# KiCad board first_keyboard.kicad_pcb
date: 2024-04-06
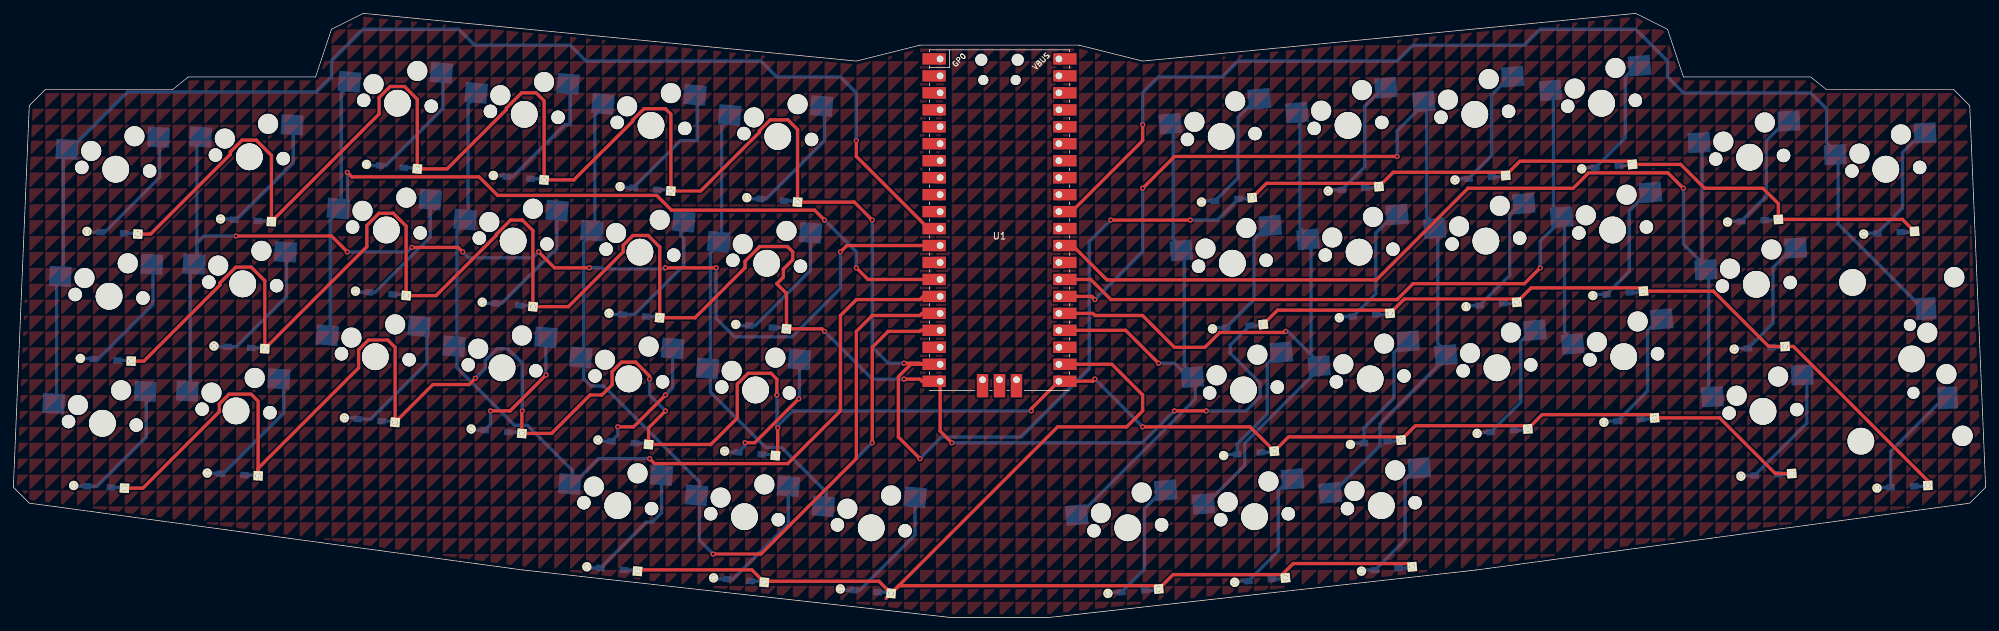
[diagram p0: board, top side]
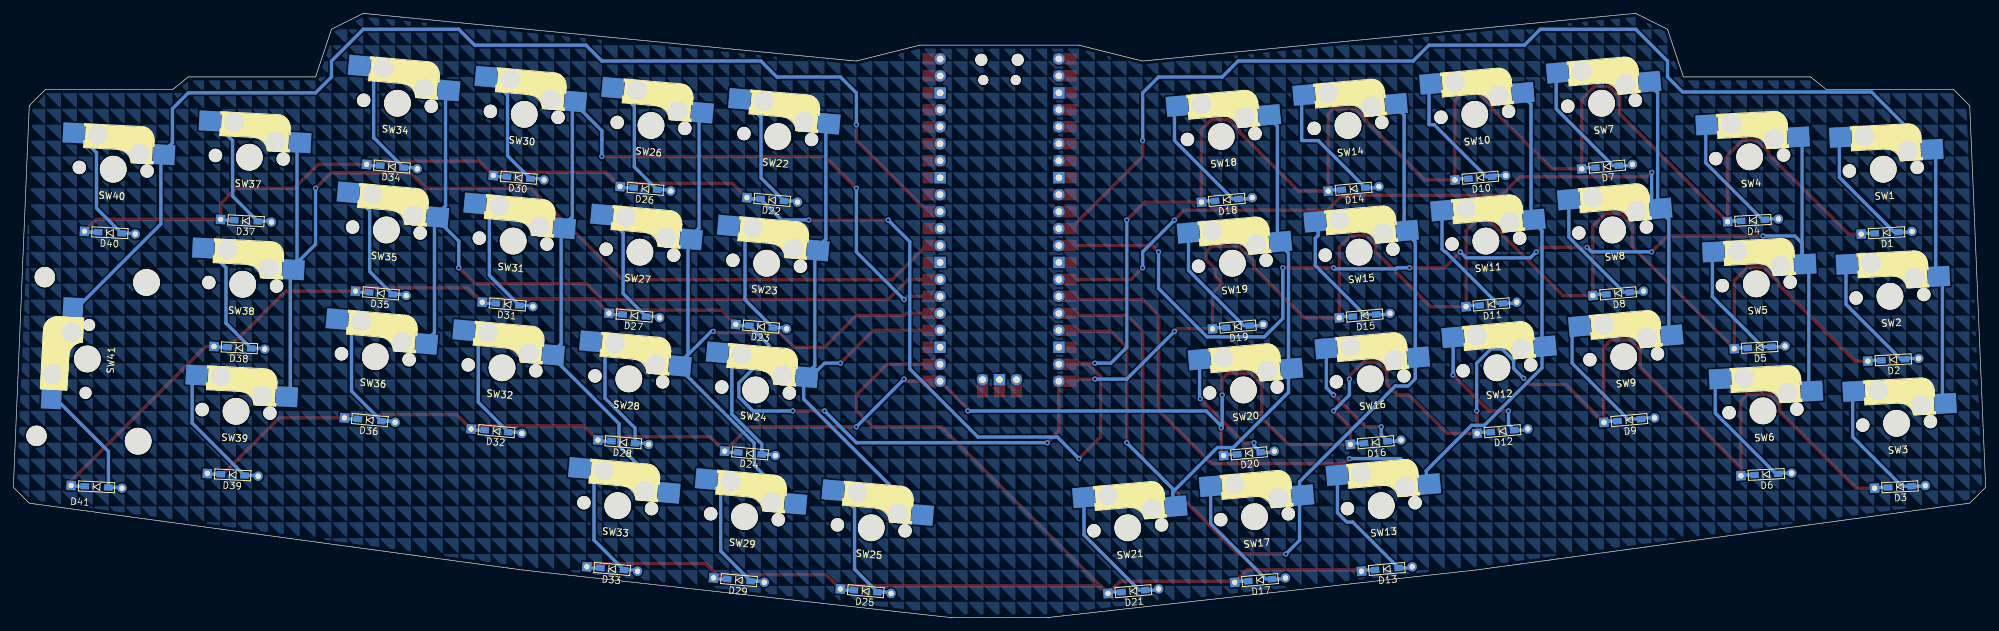
[diagram p1: board, bottom side, seen from below]

Outline 295.27 x 90.49 mm; copper layers: Top, Bottom. Coordinates in mm from the lower left corner of the outline.
Outline path: 0,19.52 2.38,17.14 76.2,7.14 140.49,0 154.78,0 219.07,7.14 292.89,17.14 295.27,19.52 292.89,76.67 290.51,79.06 271.46,79.06 269.08,80.96 250.03,80.96 247.65,88.11 242.89,90.49 169.07,83.34 159.54,85.72 135.73,85.72 126.21,83.34 52.39,90.49 47.62,88.11 45.24,80.96 26.19,80.96 23.81,79.06 4.76,79.06 2.38,76.67 0,19.52

## Placement (name value [footprint] x y rotation side)
D1  D  [Diode_TH_SMD]  14.83 57.64 177 top
D2  D  [Diode_TH_SMD]  13.83 38.61 177 top
D3  D  [Diode_TH_SMD]  12.83 19.59 177 top
D4  D  [Diode_TH_SMD]  34.83 59.49 177 top
D5  D  [Diode_TH_SMD]  33.84 40.47 177 top
D6  D  [Diode_TH_SMD]  32.84 21.44 177 top
D7  D  [Diode_TH_SMD]  56.68 67.54 175 top
D8  D  [Diode_TH_SMD]  55.02 48.56 175 top
D9  D  [Diode_TH_SMD]  53.36 29.58 175 top
D10  D  [Diode_TH_SMD]  75.65 65.88 175 top
D11  D  [Diode_TH_SMD]  73.99 46.9 175 top
D12  D  [Diode_TH_SMD]  72.33 27.92 175 top
D13  D  [Diode_TH_SMD]  89.65 7.28 175 top
D14  D  [Diode_TH_SMD]  94.63 64.22 175 top
D15  D  [Diode_TH_SMD]  92.97 45.24 175 top
D16  D  [Diode_TH_SMD]  91.31 26.26 175 top
D17  D  [Diode_TH_SMD]  108.63 5.62 175 top
D18  D  [Diode_TH_SMD]  113.61 62.56 175 top
D19  D  [Diode_TH_SMD]  111.95 43.58 175 top
D20  D  [Diode_TH_SMD]  110.29 24.6 175 top
D21  D  [Diode_TH_SMD]  127.61 3.96 175 top
D22  D  [Diode_TH_SMD]  181.67 62.56 185 top
D23  D  [Diode_TH_SMD]  183.33 43.58 185 top
D24  D  [Diode_TH_SMD]  184.99 24.6 185 top
D25  D  [Diode_TH_SMD]  167.67 3.96 185 top
D26  D  [Diode_TH_SMD]  200.64 64.22 185 top
D27  D  [Diode_TH_SMD]  202.3 45.24 185 top
D28  D  [Diode_TH_SMD]  203.96 26.26 185 top
D29  D  [Diode_TH_SMD]  186.65 5.62 185 top
D30  D  [Diode_TH_SMD]  219.62 65.88 185 top
D31  D  [Diode_TH_SMD]  221.28 46.9 185 top
D32  D  [Diode_TH_SMD]  222.94 27.92 185 top
D33  D  [Diode_TH_SMD]  205.62 7.28 185 top
D34  D  [Diode_TH_SMD]  238.6 67.54 185 top
D35  D  [Diode_TH_SMD]  240.26 48.56 185 top
D36  D  [Diode_TH_SMD]  241.92 29.58 185 top
D37  D  [Diode_TH_SMD]  260.44 59.43 183 top
D38  D  [Diode_TH_SMD]  261.44 40.41 183 top
D39  D  [Diode_TH_SMD]  262.44 21.38 183 top
D40  D  [Diode_TH_SMD]  280.82 57.64 183 top
D41  D  [Diode_TH_SMD]  282.82 19.59 183 top
SW1  SW_Push  [CherryMX_Hotswap_1u]  15.33 67.15 357 top
SW2  SW_Push  [CherryMX_Hotswap_1u]  14.33 48.13 357 top
SW3  SW_Push  [CherryMX_Hotswap_1u]  13.33 29.1 357 top
SW4  SW_Push  [CherryMX_Hotswap_1u]  35.33 69 357 top
SW5  SW_Push  [CherryMX_Hotswap_1u]  34.33 49.98 357 top
SW6  SW_Push  [CherryMX_Hotswap_1u]  33.34 30.96 357 top
SW7  SW_Push  [CherryMX_Hotswap_1u]  57.51 77.03 355 top
SW8  SW_Push  [CherryMX_Hotswap_1u]  55.85 58.05 355 top
SW9  SW_Push  [CherryMX_Hotswap_1u]  54.19 39.07 355 top
SW10  SW_Push  [CherryMX_Hotswap_1u]  76.48 75.37 355 top
SW11  SW_Push  [CherryMX_Hotswap_1u]  74.82 56.39 355 top
SW12  SW_Push  [CherryMX_Hotswap_1u]  73.16 37.41 355 top
SW13  SW_Push  [CherryMX_Hotswap_1u]  90.48 16.77 355 top
SW14  SW_Push  [CherryMX_Hotswap_1u]  95.46 73.71 355 top
SW15  SW_Push  [CherryMX_Hotswap_1u]  93.8 54.73 355 top
SW16  SW_Push  [CherryMX_Hotswap_1u]  92.14 35.75 355 top
SW17  SW_Push  [CherryMX_Hotswap_1u]  109.46 15.11 355 top
SW18  SW_Push  [CherryMX_Hotswap_1u]  114.44 72.05 355 top
SW19  SW_Push  [CherryMX_Hotswap_1u]  112.78 53.07 355 top
SW20  SW_Push  [CherryMX_Hotswap_1u]  111.12 34.09 355 top
SW21  SW_Push  [CherryMX_Hotswap_1u]  128.44 13.45 355 top
SW22  SW_Push  [CherryMX_Hotswap_1u]  180.84 72.05 5 top
SW23  SW_Push  [CherryMX_Hotswap_1u]  182.5 53.07 5 top
SW24  SW_Push  [CherryMX_Hotswap_1u]  184.16 34.09 5 top
SW25  SW_Push  [CherryMX_Hotswap_1u]  166.84 13.45 5 top
SW26  SW_Push  [CherryMX_Hotswap_1u]  199.81 73.71 5 top
SW27  SW_Push  [CherryMX_Hotswap_1u]  201.47 54.73 5 top
SW28  SW_Push  [CherryMX_Hotswap_1u]  203.13 35.75 5 top
SW29  SW_Push  [CherryMX_Hotswap_1u]  185.82 15.11 5 top
SW30  SW_Push  [CherryMX_Hotswap_1u]  218.79 75.37 5 top
SW31  SW_Push  [CherryMX_Hotswap_1u]  220.45 56.39 5 top
SW32  SW_Push  [CherryMX_Hotswap_1u]  222.11 37.41 5 top
SW33  SW_Push  [CherryMX_Hotswap_1u]  204.79 16.77 5 top
SW34  SW_Push  [CherryMX_Hotswap_1u]  237.77 77.03 5 top
SW35  SW_Push  [CherryMX_Hotswap_1u]  239.43 58.05 5 top
SW36  SW_Push  [CherryMX_Hotswap_1u]  241.09 39.07 5 top
SW37  SW_Push  [CherryMX_Hotswap_1u]  259.94 68.94 3 top
SW38  SW_Push  [CherryMX_Hotswap_1u]  260.94 49.92 3 top
SW39  SW_Push  [CherryMX_Hotswap_1u]  261.94 30.89 3 top
SW40  SW_Push  [CherryMX_Hotswap_1u]  280.32 67.15 3 top
SW41  SW_Push  [CherryMX_Hotswap_2u]  284.2 38.74 273 top
U1  Pico  [RPi_Pico_SMD_TH]  147.64 59.53 0 top

## Library data of the parts
D1-D41 = -: Sim.Pins: 1=K 2=A; ki_fp_filters: TO-???* *_Diode_* *SingleDiode* D_*

## Footprints (pads in the part's own frame, mm; a bottom-side part is the same pattern mirrored in y, then rotated)
CherryMX_Hotswap_1u
  round 2 hole 2 unplated: (-5.08,0) (5.08,0)
  round 3 hole 3 unplated: (-3.81,2.54) (2.54,5.08)
  round 4 hole 4 unplated: (0,0)
  rect 3.3x3 smd far side: 1(-7,2.58) 2(5.7,5.12)
CherryMX_Hotswap_2u
  round 3.05 hole 3.05 unplated: (-11.9,7) (11.9,7)
  round 4 hole 4 unplated: (-11.9,-8.24) (0,0) (11.9,-8.24)
  round 1.8 hole 1.8 unplated: (-5.08,0) (5.08,0)
  round 3 hole 3 unplated: (-3.81,2.54) (2.54,5.08)
  rect 3.3x3 smd far side: 1(-6.9,2.54) 2(5.6,5.08)
Diode_TH_SMD
  rect 1.397x1.397 hole 0.813: 1(-3.81,0)
  rect 1.3x0.95 smd far side: 1(-1.775,0) 2(1.775,0)
  round 1.397 hole 0.813: 2(3.81,0)
RPi_Pico_SMD_TH
  oval 1.8x1.8 hole 1.8 unplated: (-2.725,24) (2.725,24)
  oval 1.5x1.5 hole 1.5 unplated: (-2.425,20.97) (2.425,20.97)
  oval 1.7x1.7 hole 1.02: 1(-8.89,24.13) 2(-8.89,21.59) 4(-8.89,16.51) 5(-8.89,13.97) 6(-8.89,11.43) 7(-8.89,8.89) 9(-8.89,3.81) 10(-8.89,1.27) 11(-8.89,-1.27) 12(-8.89,-3.81) 14(-8.89,-8.89) 15(-8.89,-11.43) 16(-8.89,-13.97) 17(-8.89,-16.51) 19(-8.89,-21.59) 20(-8.89,-24.13) 21(8.89,-24.13) 22(8.89,-21.59) 24(8.89,-16.51) 25(8.89,-13.97) 26(8.89,-11.43) 27(8.89,-8.89) 29(8.89,-3.81) 30(8.89,-1.27) 31(8.89,1.27) 32(8.89,3.81) 34(8.89,8.89) 35(8.89,11.43) 36(8.89,13.97) 37(8.89,16.51) 39(8.89,21.59) 40(8.89,24.13) 41(-2.54,-23.9) 43(2.54,-23.9)
  rect 3.5x1.7 smd: 1(-8.89,24.13) 2(-8.89,21.59) 3(-8.89,19.05) 4(-8.89,16.51) 5(-8.89,13.97) 6(-8.89,11.43) 7(-8.89,8.89) 8(-8.89,6.35) 9(-8.89,3.81) 10(-8.89,1.27) 11(-8.89,-1.27) 12(-8.89,-3.81) 13(-8.89,-6.35) 14(-8.89,-8.89) 15(-8.89,-11.43) 16(-8.89,-13.97) 17(-8.89,-16.51) 18(-8.89,-19.05) 19(-8.89,-21.59) 20(-8.89,-24.13) 21(8.89,-24.13) 22(8.89,-21.59) 23(8.89,-19.05) 24(8.89,-16.51) 25(8.89,-13.97) 26(8.89,-11.43) 27(8.89,-8.89) 28(8.89,-6.35) 29(8.89,-3.81) 30(8.89,-1.27) 31(8.89,1.27) 32(8.89,3.81) 33(8.89,6.35) 34(8.89,8.89) 35(8.89,11.43) 36(8.89,13.97) 37(8.89,16.51) 38(8.89,19.05) 39(8.89,21.59) 40(8.89,24.13)
  rect 1.7x1.7 hole 1.02: 3(-8.89,19.05) 8(-8.89,6.35) 13(-8.89,-6.35) 18(-8.89,-19.05) 23(8.89,-19.05) 28(8.89,-6.35) 33(8.89,6.35) 38(8.89,19.05) 42(0,-23.9)
  rect 1.7x3.5 smd: 41(-2.54,-23.9) 42(0,-23.9) 43(2.54,-23.9)

## Nets
Col0: SW1.1 SW2.1 SW3.1 U1.11
Col1: SW4.1 SW5.1 SW6.1 U1.12
Col2: SW7.1 SW8.1 SW9.1 U1.14
Col3: SW10.1 SW11.1 SW12.1 SW13.1 U1.15
Col4: SW14.1 SW15.1 SW16.1 SW17.1 U1.16
Col5: SW18.1 SW19.1 SW20.1 SW21.1 U1.17
Col6: SW22.1 SW23.1 SW24.1 SW25.1 U1.24
Col7: SW26.1 SW27.1 SW28.1 SW29.1 U1.25
Col8: SW30.1 SW31.1 SW32.1 SW33.1 U1.26
Col9: SW34.1 SW35.1 SW36.1 U1.27
Col10: SW37.1 SW38.1 SW39.1 U1.29
Col11: SW40.1 SW41.1 U1.31
Row0: D1.1 D4.1 D7.1 D10.1 D14.1 D18.1 D22.1 D26.1 D30.1 D34.1 D37.1 D40.1 U1.19
Row1: D2.1 D5.1 D8.1 D11.1 D15.1 D19.1 D23.1 D27.1 D31.1 D35.1 D38.1 D41.1 U1.20
Row2: D3.1 D6.1 D9.1 D12.1 D16.1 D20.1 D24.1 D28.1 D32.1 D36.1 D39.1 U1.21
Row3: D13.1 D17.1 D21.1 D25.1 D29.1 D33.1 U1.22
Net-(D1-A): D1.2 SW1.2
Net-(D2-A): D2.2 SW2.2
Net-(D3-A): D3.2 SW3.2
Net-(D4-A): D4.2 SW4.2
Net-(D5-A): D5.2 SW5.2
Net-(D6-A): D6.2 SW6.2
Net-(D7-A): D7.2 SW7.2
Net-(D8-A): D8.2 SW8.2
Net-(D9-A): D9.2 SW9.2
Net-(D10-A): D10.2 SW10.2
Net-(D11-A): D11.2 SW11.2
Net-(D12-A): D12.2 SW12.2
Net-(D13-A): D13.2 SW13.2
Net-(D14-A): D14.2 SW14.2
Net-(D15-A): D15.2 SW15.2
Net-(D16-A): D16.2 SW16.2
Net-(D17-A): D17.2 SW17.2
Net-(D18-A): D18.2 SW18.2
Net-(D19-A): D19.2 SW19.2
Net-(D20-A): D20.2 SW20.2
Net-(D21-A): D21.2 SW21.2
Net-(D22-A): D22.2 SW22.2
Net-(D23-A): D23.2 SW23.2
Net-(D24-A): D24.2 SW24.2
Net-(D25-A): D25.2 SW25.2
Net-(D26-A): D26.2 SW26.2
Net-(D27-A): D27.2 SW27.2
Net-(D28-A): D28.2 SW28.2
Net-(D29-A): D29.2 SW29.2
Net-(D30-A): D30.2 SW30.2
Net-(D31-A): D31.2 SW31.2
Net-(D32-A): D32.2 SW32.2
Net-(D33-A): D33.2 SW33.2
Net-(D34-A): D34.2 SW34.2
Net-(D35-A): D35.2 SW35.2
Net-(D36-A): D36.2 SW36.2
Net-(D37-A): D37.2 SW37.2
Net-(D38-A): D38.2 SW38.2
Net-(D39-A): D39.2 SW39.2
Net-(D40-A): D40.2 SW40.2
Net-(D41-A): D41.2 SW41.2

Pads without a net: U1 1 2 3 4 5 6 7 8 9 10 13 18 23 28 30 32 33 34 35 36 37 38 39 40 41 42 43

## Via types
v1: diameter 0.8, hole 0.4, Top to Bottom, 49 vias

## Routing (per net, layer and track width the routed paths; a pad name or vN(x,y) marks a point on that pad's centre or on a via; arc(x,y) is an arc through that point)
Col0: length 196
  Top w0.5: U1.11 137,58.26 126.21,69.06 v1(126.21,71.44)
  Bottom w0.5: SW3.1 6.48,50.07 SW2.1 7.47,69.09 SW1.1 17.09,78.71 45.37,78.71 47.62,80.96 47.62,83.34 52.39,88.11 66.67,88.11 69.06,85.72 83.34,85.72 85.73,83.34 111.92,83.34 114.3,80.96 123.83,80.96 126.21,78.58 v1(126.21,71.44)
Col1: length 174.7
  Top w0.5: v1(97.63,52.39) v1(105.22,52.39) ; v1(33.34,57.15) 47.62,57.15 v1(50.01,54.77) ; v1(67.27,54.77) 66.59,55.44 v1(59.66,55.44) ; v1(123.83,54.77) 124.78,55.72 U1.12 ; v1(78.64,54.77) 81.02,52.39 v1(86.24,52.39)
  Bottom w0.5: SW6.1 26.48,51.93 SW5.1 ; v1(59.66,55.44) 58.99,54.77 v1(50.01,54.77) ; SW5.1 27.48,56.05 28.58,57.15 v1(33.34,57.15) ; SW5.1 27.48,70.95 SW4.1 ; v1(105.22,52.39) 105.22,44.8 107.98,42.04 116.57,42.04 123.83,49.3 v1(123.83,54.77) ; v1(78.64,54.77) 77.76,53.89 68.15,53.89 v1(67.27,54.77) ; v1(86.24,52.39) 88.11,52.39 88.27,52.23 97.47,52.23 v1(97.63,52.39)
Col2: length 141.9
  Top w0.5: v1(126.21,52.39) 127.95,50.64 U1.14 ; v1(50.01,66.68) 50.68,66 69.73,66 72.5,63.23 96.32,63.23 98.53,61.02 119.96,61.02 v1(121.44,59.53)
  Bottom w0.5: SW8.1 47.44,59.57 SW9.1 ; SW8.1 50.01,62.14 v1(50.01,66.68) ; SW8.1 49.1,78.55 SW7.1 ; v1(126.21,52.39) 126.21,54.77 v1(121.44,59.53)
Col3: length 143.9
  Top w0.5: U1.15 136.21,48.1 135.73,47.62 126.21,47.62 123.83,45.24 123.83,30.96 115.93,23.06 96,23.06 v1(95.25,23.81)
  Bottom w0.5: SW10.1 68.08,76.89 SW11.1 66.42,57.91 SW12.1 66.42,37.42 75.04,28.8 76.95,28.8 83.73,22.01 SW13.1 87.59,23.81 v1(95.25,23.81)
Col4: length 137.9
  Top w0.5: U1.16 136.05,45.56 135.73,45.24 128.59,45.24 126.21,42.86 126.21,23.81 111.92,9.53 v1(104.77,9.53)
  Bottom w0.5: SW14.1 87.05,75.23 SW15.1 85.39,56.25 SW16.1 85.39,35.76 86.46,34.69 88.37,34.69 102.71,20.35 SW17.1 102.71,11.59 v1(104.77,9.53)
Col5: length 106.7
  Top w0.5: U1.17 135.89,43.02 135.73,42.86 130.97,42.86 128.59,40.48 v1(128.59,26.19)
  Bottom w0.5: SW21.1 121.69,19.29 v1(128.59,26.19) ; SW21.1 121.48,16.63 121.44,16.67 ; SW21.1 121.69,18.81 115.02,25.48 112.64,25.48 104.37,33.74 SW20.1 104.37,54.59 SW19.1 106.03,73.57 SW18.1
Col6: length 90.5
  Top w0.5: U1.24 166.53,43.02 v1(171.45,38.1)
  Bottom w0.5: SW24.1 175.3,37.71 SW23.1 173.64,56.69 SW22.1 ; SW24.1 175.88,36.05 173.83,38.1 v1(171.45,38.1) ; SW24.1 176.96,32.73 SW25.1
Col7: length 111.8
  Top w0.5: v1(190.5,42.86) 190.34,42.7 180.61,42.7 178.39,40.48 173.83,40.48 169.07,45.24 161.93,45.24 161.61,45.56 U1.25
  Bottom w0.5: SW26.1 192.61,58.35 SW27.1 194.28,39.37 SW28.1 ; v1(190.5,42.86) 190.78,42.86 SW28.1 ; SW29.1 184.36,22.81 184.36,26.13 SW28.1
Col8: length 142.5
  Top w0.5: v1(169.07,64.29) 173.83,69.06 v1(207.17,69.06) ; v1(161.93,47.62) 161.45,48.1 U1.26
  Bottom w0.5: v1(161.93,47.62) 169.07,54.77 v1(169.07,64.29) ; SW33.1 204.59,25.73 204.59,29.05 SW32.1 213.25,41.03 SW31.1 211.59,60.01 SW30.1 207.17,72.9 v1(207.17,69.06)
Col9: length 123.7
  Top w0.5: v1(228.6,52.39) 226.22,50.01 209.54,50.01 207.16,47.62 164.31,47.62 161.29,50.64 U1.27
  Bottom w0.5: SW35.1 228.6,56.38 v1(228.6,52.39) ; SW35.1 230.57,61.67 SW34.1 ; SW35.1 232.23,42.69 SW36.1
Col10: length 155.8
  Top w0.5: v1(250.03,64.29) 247.73,66.6 235.82,66.6 233.52,64.29 217.78,64.29 204.05,50.57 163.74,50.57 158.59,55.72 U1.29
  Bottom w0.5: v1(250.03,64.29) 250.03,55.91 SW38.1 ; SW38.1 253.82,34.1 SW39.1 ; SW38.1 252.82,53.12 SW37.1
Col11: length 173.4
  Top w0.5: U1.31 158.43,60.8 169.07,71.44 v1(169.07,73.82)
  Bottom w0.5: SW41.1 273.2,58.94 SW40.1 271.46,71.1 271.46,76.2 269.08,78.58 250.03,78.58 247.65,80.96 247.65,83.34 242.89,88.11 228.6,88.11 226.22,85.72 209.55,85.72 207.17,83.34 183.36,83.34 180.98,80.96 171.45,80.96 169.07,78.58 v1(169.07,73.82)
Row0: length 457.5
  Top w0.5: v1(128.59,59.53) 125.89,62.22 D18.1 117.4,73.1 115.95,74.55 113.33,74.55 111.69,72.91 111.69,72.68 102.9,63.88 D14.1 98.43,75.4 97.63,76.21 94.43,76.21 92.72,74.5 92.72,74.34 83.92,65.55 D10.1 79.45,77.38 78.25,78.58 76.09,78.58 73.82,76.31 73.82,76.08 64.94,67.21 D7.1 60.47,77.64 58.59,79.53 56.4,79.53 54.77,77.9 54.77,75.42 D4.1 38.64,69.23 36.37,71.5 34.25,71.5 32.49,69.74 32.49,69.38 20.55,57.44 D1.1 ; D22.1 187.61,65.03 203.95,65.03 D26.1 206.58,66.69 222.93,66.69 D30.1 225.56,68.35 241.91,68.35 D34.1 249.62,67.87 253.2,64.29 261.94,64.29 264.25,61.98 D37.1 282.84,59.63 D40.1 ; v1(176.21,59.53) v1(164.31,59.53) ; v1(135.73,23.81) 132.5,27.04 132.5,36.07 134.37,37.94 U1.19 135.89,37.94 135.73,38.1 v1(133.35,38.1)
  Bottom w0.5: D30.1 223.24,66.03 D30.1 ; D22.1 185.28,62.71 D22.1 180.25,59.53 v1(176.21,59.53) ; D10.1 79.27,65.72 D10.1 ; D34.1 242.22,67.69 D34.1 ; D26.1 204.26,64.37 D26.1 ; v1(135.73,23.81) 138.96,27.04 150.87,27.04 161.07,37.25 161.07,56.3 v1(164.31,59.53) ; D4.1 38.53,59.4 D4.1 ; D40.1 284.52,57.73 D40.1 ; D7.1 60.3,67.38 D7.1 ; D37.1 264.14,59.52 D37.1 ; v1(133.35,38.1) 130.97,38.1 128.59,40.48 v1(128.59,59.53) ; D18.1 117.23,62.4 D18.1 ; D14.1 98.25,64.06 D14.1 ; D1.1 18.52,57.54 D1.1
Row1: length 428.4
  Top w0.5: v1(178.59,30.96) v1(173.83,30.96) ; v1(140.49,26.19) 138.75,27.94 U1.20 136.05,35.4 135.73,35.72 v1(133.35,35.72) ; D41.1 286.62,20.49 266.51,40.6 D38.1 262.79,40.6 254.51,48.89 D35.1 243.57,49.38 227.22,49.38 D31.1 224.59,47.72 208.24,47.72 D27.1 205.61,46.06 189.27,46.06 D23.1 ; v1(121.44,42.86) 121.06,43.25 D19.1 115.74,48.56 114.3,50.01 115.28,50.99 115.28,52.19 116.68,53.59 116.68,54.77 115.88,55.57 111.74,55.57 109.54,53.36 109.54,52.39 102.06,44.91 D15.1 96.77,55.5 95.04,57.23 92.77,57.23 91.3,55.76 91.3,54.77 83.1,46.57 D11.1 77.79,57.94 76.2,59.53 74.43,59.53 72.32,57.42 72.32,57.27 63.28,48.23 D8.1 58.81,58.62 56.88,60.55 54.74,60.55 52.92,58.73 52.92,55.55 D5.1 37.64,50.47 35.63,52.48 33.3,52.48 30.96,50.14 30.96,49.82 19.55,38.41 D2.1
  Bottom w0.5: v1(121.44,42.86) 128.59,35.72 v1(133.35,35.72) ; D19.1 115.57,43.42 D19.1 ; D11.1 77.61,46.74 D11.1 ; D35.1 243.88,48.71 D35.1 ; v1(178.59,30.96) 184.56,30.96 186.66,33.05 186.66,35.13 182.17,39.61 182.17,40.81 D23.1 186.94,43.73 D23.1 ; D15.1 96.59,45.08 D15.1 ; D8.1 58.63,48.41 D8.1 ; D38.1 265.14,40.5 D38.1 ; D41.1 286.52,19.68 D41.1 ; D31.1 224.9,47.05 D31.1 ; D2.1 17.53,38.52 D2.1 ; D27.1 205.92,45.39 D27.1 ; D5.1 37.53,40.38 D5.1 ; v1(173.83,30.96) 169.07,26.19 v1(140.49,26.19)
Row2: length 382.4
  Top w0.5: v1(114.44,28.43) 114.44,24.63 D20.1 ; v1(69.19,35.85) 68.25,34.91 62.81,34.91 D9.1 57.15,40.48 56.06,41.57 53.15,41.57 51.69,40.11 51.69,37.4 36.64,22.36 D6.1 36.64,32.41 35.6,33.46 32.3,33.46 30.84,31.99 30.84,30.84 19.39,19.39 D3.1 ; v1(97.63,30.96) 95.11,28.43 D16.1 104.42,25.93 108.37,29.88 108.37,34.95 110.01,36.59 113.43,36.59 114.3,35.72 v1(114.3,33.34) ; D39.1 263.79,21.58 255.46,29.91 D36.1 245.23,30.4 228.88,30.4 D32.1 226.25,28.74 209.9,28.74 D28.1 207.27,27.08 190.93,27.08 D24.1 185.14,28.57 v1(169.07,28.57) ; v1(152.4,30.96) 152.4,31.27 U1.21 161.61,35.4 v1(161.93,35.72) ; v1(76.2,30.96) 76.13,30.89 D12.1 80.6,27.59 86.35,33.34 88.11,33.34 89.64,34.87 89.64,36.86 91.03,38.25 93.18,38.25 95.25,36.18 v1(95.25,35.72)
  Bottom w0.5: D28.1 207.58,26.42 D28.1 ; D9.1 56.97,29.43 D9.1 ; D20.1 113.91,24.45 D20.1 ; D16.1 94.93,26.11 D16.1 ; D32.1 226.56,28.08 D32.1 ; D36.1 245.54,29.74 D36.1 ; D24.1 188.6,24.76 D24.1 ; v1(69.19,35.85) 70.66,37.33 70.66,38.52 72.4,40.25 74.05,40.25 76.2,38.1 v1(76.2,30.96) ; 114.3,28.57 v1(114.3,33.34) ; 114.3,28.57 116.68,30.96 v1(152.4,30.96) ; 114.3,28.57 v1(114.44,28.43) ; D12.1 75.95,27.77 D12.1 ; v1(95.25,35.72) 95.25,33.34 v1(97.63,30.96) ; D6.1 36.54,21.35 D6.1 ; D39.1 266.13,21.47 D39.1 ; v1(161.93,35.72) v1(169.07,28.57) ; D3.1 16.53,19.5 D3.1
Row3: length 200.2
  Top w0.5: 189.96,6.44 191.62,8.1 208.94,8.1 D33.1 ; 189.96,6.44 D29.1 ; 189.96,6.44 173.61,6.44 D25.1 170.98,4.78 132.55,4.78 D21.1 ; D13.1 93.64,7.14 110.57,7.14 D17.1 112.58,5.44 129.59,5.44 D21.1 ; U1.22 164.46,37.94 169.07,33.34 169.07,30.96 166.69,28.57 156.34,28.57 D21.1 ; 130.66,2.89 D21.1
  Bottom w0.5: D29.1 190.26,5.78 D29.1 ; D33.1 209.24,7.44 D33.1 ; D21.1 131.22,3.81 D21.1 ; D25.1 171.29,4.12 D25.1 ; D17.1 112.25,5.47 D17.1 ; D13.1 93.27,7.13 D13.1
Net-(D1-A): length 20.6
  Bottom w0.5: SW1.2 21.9,71.35 21.9,65.92 13.7,57.73 D1.2 11.13,57.73 D1.2
Net-(D2-A): length 21.3
  Bottom w0.5: D2.2 12.6,38.81 12.71,38.71 ; 12.71,38.71 D2.2 ; 12.71,38.71 20.9,46.9 20.9,52.33 SW2.2
Net-(D3-A): length 21.1
  Bottom w0.5: D3.2 9.13,19.68 D3.2 12.54,19.68 19.9,27.05 19.9,33.3 SW3.2
Net-(D4-A): length 20.8
  Bottom w0.5: 33.39,59.59 D4.2 ; 33.39,59.59 41.9,68.1 41.9,73.21 SW4.2 ; 33.39,59.59 33.28,59.69 D4.2
Net-(D5-A): length 21
  Bottom w0.5: D5.2 30.14,40.56 D5.2 33.42,40.56 40.91,48.05 40.91,54.18 SW5.2
Net-(D6-A): length 20.9
  Bottom w0.5: SW6.2 40.48,34.59 40.48,30.64 31.38,21.54 D6.2 30.96,21.64 D6.2
Net-(D7-A): length 20.7
  Bottom w0.5: SW7.2 63.63,81.62 64.29,80.96 64.29,76.19 55.8,67.69 D7.2 53.06,67.69 D7.2
Net-(D8-A): length 20.5
  Bottom w0.5: D8.2 51.4,48.71 D8.2 54.14,48.71 62.41,56.98 62.41,62.22 SW8.2
Net-(D9-A): length 24.1
  Bottom w0.5: D9.2 51.41,29.91 D9.2 53.55,29.74 61.91,38.1 61.91,42.07 SW9.2 61.1,43.67 61.91,42.86
Net-(D10-A): length 21.2
  Bottom w0.5: SW10.2 83.34,79.23 83.34,73.82 82.56,73.82 74.78,66.03 D10.2 73.71,66.21 D10.2
Net-(D11-A): length 20.6
  Bottom w0.5: D11.2 70.38,47.05 D11.2 73.11,47.05 80.83,54.77 80.96,54.77 81.38,55.19 81.38,60.56 SW11.2
Net-(D12-A): length 22
  Top w0.5: v1(71.44,30.96) 74.37,30.96 v1(79.75,36.34)
  Bottom w0.5: D12.2 68.72,28.08 D12.2 71.44,28.95 v1(71.44,30.96) ; v1(79.75,36.34) 79.73,36.34 79.72,36.35 79.72,41.72 79.29,42.16 SW12.2
Net-(D13-A): length 22
  Bottom w0.5: 97.63,20.35 SW13.2 97.04,20.94 97.04,15.71 95.62,14.29 94.73,14.29 D13.2 86.03,7.44 D13.2
Net-(D14-A): length 22.6
  Bottom w0.5: D14.2 91.01,64.37 D14.2 99.93,71.44 102.39,71.44 102.39,78.58 102.12,78.31 SW14.2
Net-(D15-A): length 21.1
  Bottom w0.5: D15.2 89.35,45.39 D15.2 93.02,45.39 100.36,52.74 100.36,56.8 99.93,57.24 SW15.2
Net-(D16-A): length 21.4
  Top w0.5: v1(90.49,28.57) 92.87,28.57 v1(97.63,33.34)
  Bottom w0.5: D16.2 87.69,26.42 D16.2 90.49,27.36 v1(90.49,28.57) ; v1(97.63,33.34) 98.7,34.41 98.7,39.92 SW16.2
Net-(D17-A): length 20.5
  Bottom w0.5: D17.2 105.01,5.78 D17.2 107.75,5.78 116.02,14.05 116.02,19.28 SW17.2
Net-(D18-A): length 20.9
  Bottom w0.5: SW18.2 121.44,75.77 121.44,71.42 112.73,62.71 D18.2 109.99,62.71 D18.2
Net-(D19-A): length 20.5
  Bottom w0.5: D19.2 108.33,43.73 D19.2 111.07,43.73 119.34,52 119.34,57.24 SW19.2
Net-(D20-A): length 20.9
  Top w0.5: v1(109.54,26.19) 111,26.19 v1(117.58,32.78)
  Bottom w0.5: SW20.2 117.68,38.26 117.68,32.88 v1(117.58,32.78) ; D20.2 106.67,24.76 D20.2 109.54,25.77 v1(109.54,26.19)
Net-(D21-A): length 20.5
  Bottom w0.5: D21.2 123.99,4.12 D21.2 126.73,4.12 135,12.39 135,17.62 SW21.2
Net-(D22-A): length 21
  Bottom w0.5: 185.74,78.58 186.07,78.25 SW22.2 183.34,74.91 183.34,65.84 D22.2 178.05,62.4 D22.2
Net-(D23-A): length 19.9
  Bottom w0.5: D23.2 179.71,43.42 D23.2 185.74,47.6 185.74,56.67 SW23.2
Net-(D24-A): length 19.9
  Bottom w0.5: SW24.2 187.72,38.02 187.72,30.48 183.22,25.98 D24.2 181.37,24.45 D24.2
Net-(D25-A): length 19.9
  Bottom w0.5: D25.2 164.05,3.81 D25.2 169.34,7.25 169.34,16.32 SW25.2
Net-(D26-A): length 19.9
  Bottom w0.5: SW26.2 202.31,76.57 202.31,67.5 D26.2 197.02,64.06 D26.2
Net-(D27-A): length 19.9
  Bottom w0.5: D27.2 198.69,45.08 D27.2 203.97,48.52 203.97,57.59 SW27.2
Net-(D28-A): length 19.9
  Bottom w0.5: D28.2 200.35,26.11 D28.2 202.2,28.36 206.69,32.86 206.69,39.68 SW28.2
Net-(D29-A): length 19.9
  Bottom w0.5: SW29.2 189.38,19.04 189.38,9.97 D29.2 183.03,5.47 D29.2
Net-(D30-A): length 19.9
  Bottom w0.5: D30.2 216,65.72 D30.2 221.29,69.16 221.29,78.23 SW30.2
Net-(D31-A): length 19.9
  Bottom w0.5: SW31.2 224.01,60.31 224.01,51.24 D31.2 217.66,46.74 D31.2
Net-(D32-A): length 19.9
  Bottom w0.5: SW32.2 225.67,41.34 225.67,32.27 D32.2 219.32,27.77 D32.2
Net-(D33-A): length 19.9
  Bottom w0.5: D33.2 202.01,7.13 D33.2 208.35,11.63 208.35,20.7 SW33.2
Net-(D34-A): length 19.9
  Bottom w0.5: SW34.2 241.33,80.95 241.33,71.88 D34.2 234.98,67.38 D34.2
Net-(D35-A): length 21.7
  Bottom w0.5: SW35.2 244.66,63.69 245.27,64.29 245.27,64.26 241.93,60.91 241.93,51.84 D35.2 236.64,48.41 D35.2
Net-(D36-A): length 19.9
  Bottom w0.5: D36.2 238.3,29.43 D36.2 244.65,33.93 244.65,43 SW36.2
Net-(D37-A): length 20
  Bottom w0.5: D37.2 256.87,59.23 257.18,59.53 257.37,59.34 D37.2 262.46,63.12 262.46,71.44 SW37.2
Net-(D38-A): length 19.9
  Bottom w0.5: D38.2 257.74,40.31 D38.2 263.44,44.09 263.44,52.4 SW38.2
Net-(D39-A): length 20.8
  Bottom w0.5: SW39.2 268.51,35.16 268.51,29.14 D39.2 258.74,21.29 D39.2
Net-(D40-A): length 19.9
  Bottom w0.5: D40.2 277.13,57.54 D40.2 282.82,61.32 282.82,69.64 SW40.2
Net-(D41-A): length 19.5
  Bottom w0.5: D41.2 279.12,19.5 D41.2 281.04,24.89 SW41.2
